# Altium PCB ZLS_MCU.PcbDoc (part 4 of 5)
Units mil, origin at the board's own origin, x right, y up, seen from the top; angles counter-clockwise.
Board outline 6300.01 x 7600 mil, 6 copper layers (Top Layer, GND, Signal, PWR, GND (Mid2), Bottom Layer), stack 74.545 mil thick; 324 components, 353 nets, 1041 pads, 925 vias.
Unrouted connection lines stored in the file: 480.
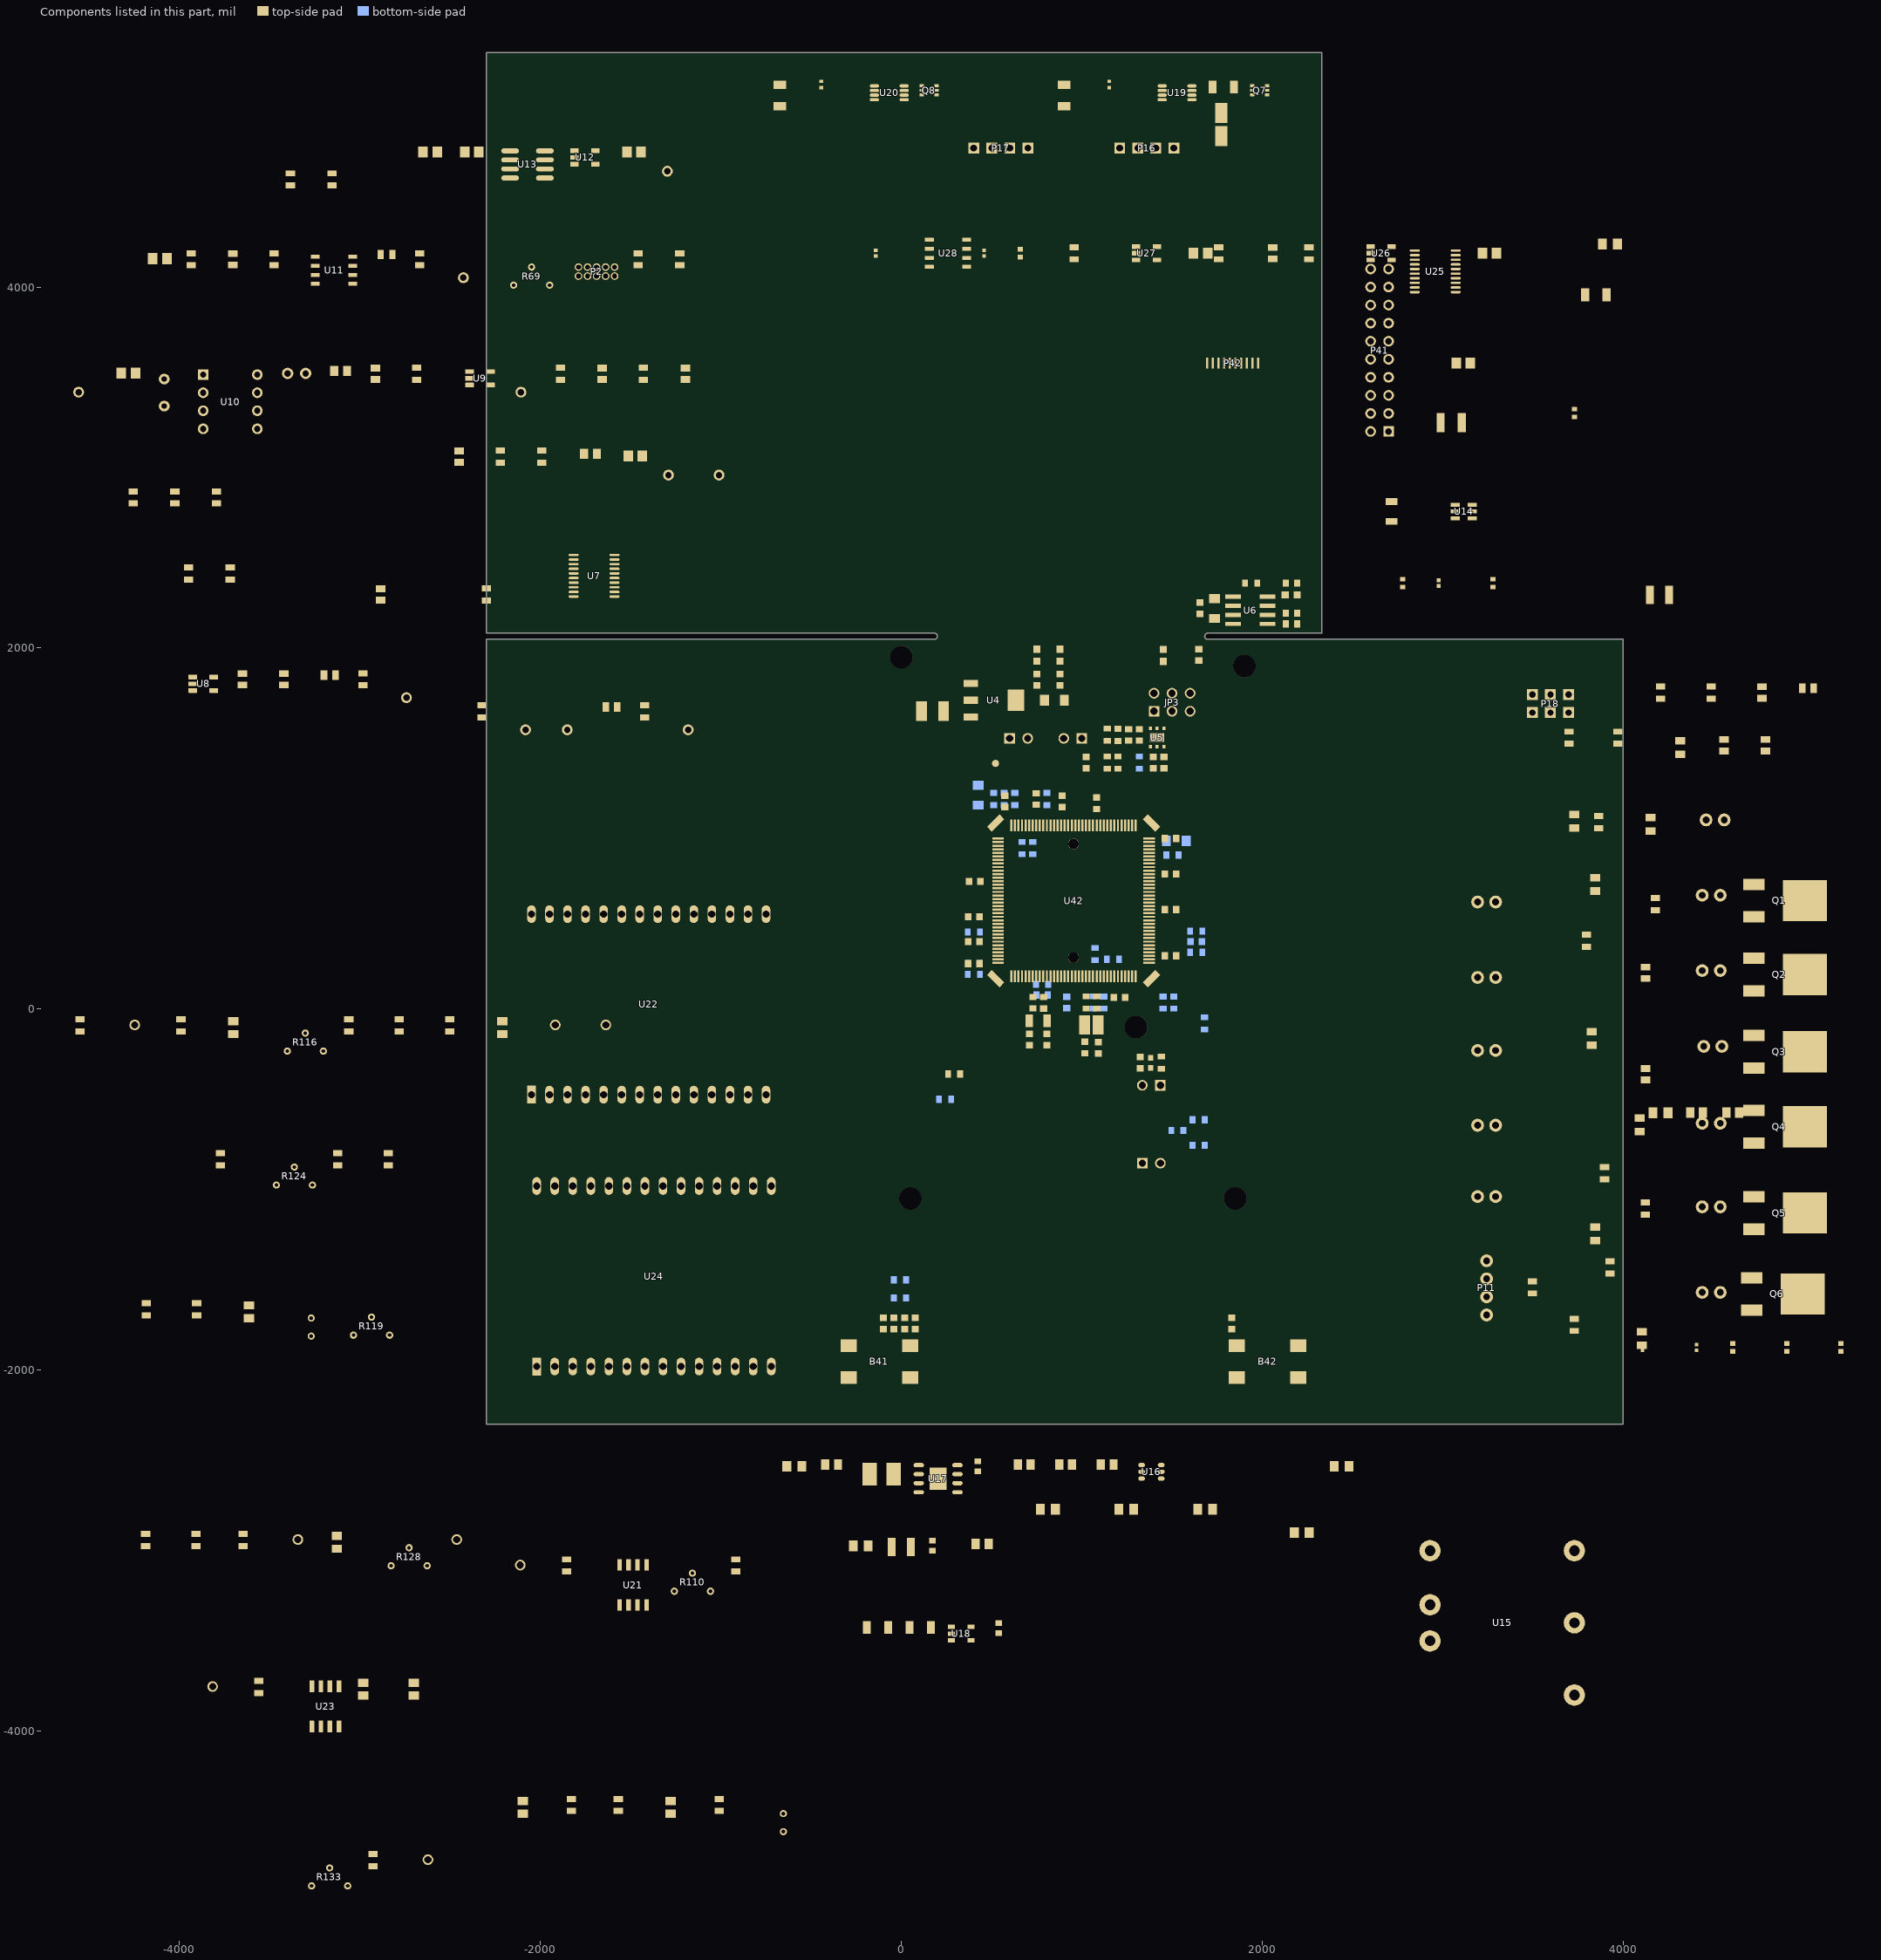
[diagram p8: the components of this part, seen from the top]

## Via types
v1: diameter 16, hole 8, Top Layer to Bottom Layer, tented both sides, 464 vias
v2: diameter 15, hole 8, Top Layer to Bottom Layer, tented both sides, 415 vias
v3: diameter 20, hole 12, Top Layer to Bottom Layer, tented both sides, 39 vias
v4: diameter 19.68, hole 7.87, Top Layer to Bottom Layer, 6 vias
v5: diameter 15, hole 8, Top Layer to Bottom Layer, 1 vias

## Nets (pads, with @x,y where several pads share a name; then routed paths per layer and width w, separated by ;. In a path a pad name is that pad's centre, name@x,y a point inside that pad or via, vN(x,y) a via of type N, cw(c..) or ccw(c..) an arc to the next point about the centre after c; other vN are vias at no path point) (continued)
copper on no net: | length 112676.4
  Top Layer w5: v1(-381,1094) -389.73,1085.27 -389.73,-1510.27 -300,-1600 ; -300,1300 -346.83,1253.17 -346.83,1076 -361.93,1060.91 -361.93,-606.1 -310.06,-657.97 57.97,-657.97 100,-700 ; -300,2299.94 -300,2300 -300,2414.45 ; -200,-900 -157.03,-857.03 23.31,-857.03 75.48,-804.86 95.14,-804.86 100,-800 ; -200,-300 -109,-209 -109,688 -54.97,742.03 57.97,742.03 100,700 ; -200,-200 -129,-129 -129,713.5 -84.53,757.97 57.97,757.97 100,800 ; -100,2199.94 19.94,2199.94 20,2200 ; -100,2299.94 -95.5,2295.44 16.56,2295.44 ; -100,2400 15,2400 16,2401 ; -100,2600 17,2600 ; v1(-15,2759) 18.5,2759 ; -12.24,2829.94 -73,2829.94 -100,2802.94 -100,2699.94 18.5,2699.94 ; 0,-200 -63,-137 -63,27 -32.03,57.97 202.97,57.97 269.13,124.13 269.13,422.08 v2(333,485.95) ; 81.24,2830 81.5,2829.75 81.5,2759 ; 81.5,2200 v1(120,2200) ; 81.5,2295 v1@119.94,2295 ; 81.5,2400 v1(117,2400) ; 81.5,2600 111.25,2600 142.25,2631 v1(142.25,2851) ; v2(162.7,14.7) 457.06,14.7 591.11,148.75 591.11,231.11 628.5,268.5 676.3,268.5 835.06,427.26 v1(968,427.26) ; 236,-1883.5 v2(236,-1831) ; 242,-1707.53 242,-1669 276.47,-1634.53 511.47,-1634.53 v2(512,-1634) ; v2(275,-233) 310,-233 325.75,-248.75 325.75,-299.97 ; v1(496,2799) 684,2987 1220,2987 1290,2917 1290,2647 1260.32,2617.32 1058.27,2617.32 ; 548.5,2432 641.4,2432 ; 548.5,2508 641.4,2508 ; 580.42,-1788.37 580.42,-1869.42 594,-1883 594.5,-1882.5 625,-1882.5 684,-1882.5 ; v2(598,827) 598,827.69 636.31,866 816.73,866 905.73,777 v2(930,777) ; v2(603,511) 603,513 633.5,543.5 633.5,788.5 696,851 810.52,851 912.52,749 925,749 926,750 v2(926,751) ; v1(617.6,2336.2) 654,2336.2 713,2336.2 713,2369.89 724.21,2381.1 782.68,2381.1 ; 642,2432.6 665.6,2432.6 692.84,2459.84 782.68,2459.84 782.52,2460 ; 642,2507.4 665.6,2507.4 693.47,2479.53 782.68,2479.53 ; 666,2684.5 666,2608.94 756.04,2518.9 782.68,2518.9 ; 725,2684.77 725,2684.5 725,2574 760.48,2538.53 782.68,2538.53 ; 736,-478.5 796.01,-478.5 ; 781,-1485.5 781,-1519 931,-1669 1088,-1669 1192.5,-1773.5 1256.09,-1773.5 1298.92,-1730.67 1339.08,-1690.51 1339.08,-1687.36 ; 782.68,2440.1 810.42,2440.1 861.42,2491.1 v1(861.42,2534) ; 796.01,-469.5 796.01,-478.5 ; 796.5,-607 796.5,-666 818.01,-666 840.04,-643.97 874.38,-643.97 875.2,-644.79 ; v2(800,-1839) 800.15,-1838.85 822.4,-1838.85 930.92,-1838.85 944.68,-1852.61 944.68,-1881.5 ; v1@812,2644.53 827.64,2644.53 842,2658.89 842,2684.5 901,2684.5 ; v2(822.4,-1914) 822.4,-1945.15 822,-1945.55 885.95,-1945.55 886,-1945.5 ; 840.33,-1485.5 840.33,-1520.33 963.37,-1643.37 1134.46,-1643.37 1178.45,-1687.36 1218.61,-1727.52 1218.61,-1730.67 ; v1(848.53,-664.47) 875.2,-664.47 ; 855,-469.5 855,-478.5 940.16,-563.65 940.16,-599.51 ; 881.1,2282.62 881.1,2282.68 881.1,2326.46 930.53,2375.89 ; 886,-1773.5 886,-1797 897,-1808 1061.56,-1808 1096.38,-1773.19 1131.2,-1773.19 ; 899,-1422.5 1061.5,-1422.5 1072,-1433 1072,-1475.56 ; 920.47,-599.51 920.47,-569.47 866.81,-515.81 810.81,-515.81 796.01,-501.01 796.01,-478.5 ; 920.47,2617.27 920.47,2644.61 960.32,2684.45 ; v1(930.53,2547.64) 930.53,2375.89 ; v2(940.16,2215) 940.16,2282.68 v2(940.16,2331) ; 944.68,-1773.5 944.99,-1773.19 1041.05,-1773.19 1040.74,-1773.5 953.01,-1773.5 ; 973,-478.5 979.53,-478.5 ; v2(973.62,2143) 973.62,2220.62 999.21,2246.21 999.21,2282.68 ; 979.53,-599.51 979.53,-478.5 ; v2@993,1437 1066,1437 1082,1421 1082,1400 ; v1@997.9,2381.1 1117.32,2381.1 1138.94,2381.1 1154.5,2365.54 1154.5,2163.3 1143.7,2152.5 1117,2152.5 ; 999.21,-749.12 999.21,-765.21 1035,-801 1076.5,-801 ; 999.21,-599.51 999.21,-569.21 1089.93,-478.5 1091,-478.5 1150,-478.5 ; 1000,2920 1089,2920 1118.46,2890.54 1118.46,2691 1111.96,2684.5 1078,2684.5 ; 1004,1855.5 1004,1926.54 ; 1006,1792.5 1038.5,1792.5 1135.5,1889.5 1613.5,1889.5 1704,1799 1704,1600 1663.15,1559.15 1596.9,1559.15 1596.9,1452.85 ; 1018.9,2617.27 1018.9,2617.32 1018.9,2684.34 ; 1019,2684.45 1078,2684.45 ; 1024.8,-703.84 v2(1052,-703.84) ; 1024.8,-684.16 1063.16,-684.16 1087,-708 1179,-708 1196,-725 1196,-863.53 v2(1220,-887.53) ; 1024.8,-664.47 1267.21,-664.47 1334.54,-731.8 1342,-731.8 ; 1024.8,-644.79 1271.21,-644.79 1333.8,-582.2 1342,-582.2 1425.31,-582.2 1425.5,-582 ; 1024.8,-625.1 1024.8,-616.2 1035,-606 1076.5,-606 1076.5,-547 ; 1032,-478.5 979.53,-478.5 ; 1038.58,2617.32 1038.58,2642.58 1047,2651 v1(1239.75,2651) ; v2@1047,2494 v2(1050,2494) 1074.9,2518.9 1117.32,2518.9 ; 1076.1,-936.4 1076.5,-936 ; 1117.32,2215.82 1117.32,2341.73 ; 1117.32,2361.42 945,2361.42 930.53,2375.89 ; 1117.32,2420.41 1208.09,2420.41 ; 1117.32,2440.16 1117.98,2439.5 1172.92,2439.5 1192.42,2459 1455.91,2459 1485.91,2489 1866.5,2489 1910,2532.5 1910,2569.5 1969,2569.5 ; 1117.32,2459.84 v1@1164.84,2459.84 ; 1259,1400 v1(1259,1432.25) ; 1271.5,2420 1271.5,2361 1271.5,2302.99 v2(1271.75,2302.73) ; 1322,-1475.56 1322,-1438 1337.5,-1422.5 1501,-1422.5 ; 1324.8,-731.8 1333,-731.8 1333.2,-732 1431.55,-732 ; 1352,2729.5 1352,2771.94 1375.06,2795 1447,2795 1474.41,2822.41 1474.41,2885 ; 1411,2729.5 v2@1411,2763 ; 1522.09,1452.85 1522.09,1397.59 1522,1397.5 1610,1397.5 ; v2(1569,1334.5) 1610,1334.5 ; 1653.75,-450 1655.75,-452 1756.28,-452 1800,-408.28 1800,-400 ; 1653.75,-300 1800,-300 ; 1653.75,-200 1800,-200 ; v2(1697.7,2533) 1697.7,2569.5 ; 1697.7,2691.35 1697.7,2632.5 1815.7,2632.5 ; v2(1739.93,2691.63) 1774.58,2691.63 ; 1800,0 1850,50 2126,50 2150,74 2150,749 2200,799 ; 1800,860 1854,914 v2(1989,914) ; 1800,1160 1843,1117 1954.35,1117 1985,1086.35 1985,994.34 2051.75,927.6 2051.75,447.26 2100,399 ; 1800,1260 1849.84,1210.16 1943.84,1210.16 2040,1114 2040,959 2100,899 ; 1800,1760 1850,1710 1972,1710 2030,1652 2153,1652 2200,1699 ; 1900,-500 1999,-500 2100,-601 ; 1900,-400 1999,-400 2100,-501 ; 1900,-200 1998,-200 2048,-250 2149,-250 2200,-301 ; 1900,-100 1943.03,-143.03 2157.97,-143.03 2200,-101 ; 1900,960 1980.03,960 2020,920.03 2020,886 1989,855 v2(1989,746) ; 1900,1360 2039,1360 2100,1299 ; 1900,1760 1983,1760 2044,1699 2100,1699 ; 1910,2632.5 1910.47,2632.97 1910.47,2781.94 ; 1910.47,2900.06 1910.47,2849.53 1921,2839 2016,2839 2029,2826 2029,2632.5 ; 1969,2632.5 1969.53,2633.02 1969.53,2781.94
  Top Layer w5.1: 821.5,-861 883.07,-861 922.22,-861 ; 822.09,-936.4 883.07,-936.4 v1(883.07,-976.93) ; 920.47,-749.12 920.47,-766.15 922.82,-768.49 922.82,-965.03 958.79,-1001 1297.37,-1001 1314,-1017.63 1314,-1048.15 1272,-1090.15 1272,-1120.44 ; 938.82,-862 977.56,-862 977.96,-862 1076.5,-862 ; 940.16,-749.12 940.16,-766.15 937.82,-768.49 937.82,-957.81 965,-985 1303.59,-985 1330,-1011.41 1330,-1048.15 1372,-1090.15 1372,-1120.44 ; 959.84,-749.12 959.84,-766.15 961.69,-767.99 961.69,-795.92 975.01,-809.24 v2(975.01,-815.29) ; 977.56,-936.4 v1(1022,-936.4) 1076.1,-936.4 ; 979.53,-749.12 979.53,-766.15 977.19,-768.49 977.19,-789.5 983.03,-795.34 991.34,-795.34 v2(992,-796) ; 1022,-1475.56 1022,-1506.15 1064.5,-1548.65 1064.5,-1588.21 1094.29,-1618 1100.5,-1618 1132.79,-1618 1357,-1618 1366,-1627 1366,-1639 1350.94,-1654.06 1292.06,-1654.06 1258.76,-1687.36 ; 1022,-1120.44 1022,-1090.15 1064.5,-1047.65 1064.5,-1043.5 v1(1059,-1038) ; v1(1085,-1038) 1079.5,-1043.5 1079.5,-1047.65 1122,-1090.15 1122,-1120.44 ; 1122,-1475.56 1122,-1506.15 1079.5,-1548.65 1079.5,-1582 1100.5,-1603 1307.41,-1603 1322.31,-1603 1363.21,-1603 1381,-1620.79 1381,-1728.91 1379.24,-1730.67 ; 1272,-1475.56 1272,-1506.15 1314.5,-1548.65 1314.5,-1561.08 1328.92,-1575.5 1427.71,-1575.5 1468,-1615.79 1468,-1669.88 1450.52,-1687.36 1419.39,-1687.36 ; 1372,-1475.56 1372,-1506.15 1329.5,-1548.65 1329.5,-1554.86 1335.14,-1560.5 1433.93,-1560.5 1484,-1610.57 1484,-1675.09 1459.55,-1699.54 1459.55,-1730.67
  Top Layer w6: 977.56,-861.6 977.96,-862
  Top Layer w6.1: 1117.32,2479.53 1140.73,2479.53 1143.07,2481.87 1443.08,2481.87 1520.5,2559.29 1520.5,2611.95 1550.4,2641.85 1550.4,2666.76 1550.4,2761.24 1550.4,2786.85 1520.5,2816.75 1520.5,2849.76 1525.59,2854.85 1525.59,2885 ; 1117.32,2499.21 1140.73,2499.21 1143.07,2496.87 1436.87,2496.87 1505.5,2565.5 1505.5,2611.95 1475.6,2641.85 1475.6,2666.76 ; 1411,2666.5 1475.35,2666.5 1475.6,2666.76 ; 1500,2885 1500,2854.85 1505.5,2849.35 1505.5,2816.75 1475.6,2786.85 1475.6,2761.24 1475.6,2666.76
  Top Layer w7: 821.5,-801 821.5,-766.5 838.88,-749.12 900.79,-749.12 ; 1024.8,-723.53 1024.8,-737.8 1029,-742 v1(1047,-742) 1076.5,-742
  Top Layer w8: 782.68,2400.79 806.41,2400.79 819,2388.2 v1(819,2285) ; 782.68,2420.47 v1(822.18,2420.41) v1(822.18,2420.41) ; v1(784,2617.27) 784.06,2617.32 841.73,2617.32 ; v1(861.42,2577.76) 861.42,2617.32 ; 979.53,2282.68 v2@979.53,2331.53 ; 1038.58,2282.68 v2@1038.58,2330.58 ; v1(1078,2540) 1079.42,2538.58 1117.32,2538.58
  Top Layer w10: -300,2481.5 v2(-300,2518) ; v1@73,2642 81.5,2650.5 81.5,2700 ; 242,-1783.46 243.03,-1784.5 311,-1784.5 ; 304.4,-2024.2 317.2,-2037 340.82,-2037 ; 311,-1721.5 311,-1677 321.4,-1666.6 370.6,-1666.6 v1(372,-1668) ; v2@314,-1909 356.76,-1909 ; 392,-2142.31 v1(472.32,-2142.31) ; 419,-1721.5 478,-1721.5 519.5,-1721.5 v2(520,-1721) ; v2@445,-937 v2(446,-936) 644.5,-936 639.5,-941 ; v2(449,2432) 485.5,2432 ; v2(449,2508) 485.5,2508 ; 451.24,-1909 v2@494,-1909 ; v2(478,-1822) 478,-1784.5 ; v2(486,-775) 496,-785 544,-785 544,-846 559,-861 v2(575,-861) 639.5,-861 ; v2(588,-1945.55) 588.05,-1945.5 625,-1945.5 ; 619.01,-1709.63 622.1,-1706.54 719.01,-1706.54 ; 654,-791 691,-791 702.5,-802.5 702.5,-861 758.5,-861 758.5,-898 ; v2(657,-1820) 657.59,-1819.41 657.59,-1788.37 ; 666,2747.5 v2(666,2784) ; v2(696,-415.5) 736,-415.5 ; v1@697.01,-548 733.5,-548 733.5,-607 ; 699.5,-936 757.5,-936 ; v2(713,2236.7) 713,2273.2 ; 719.01,-1773.47 782.97,-1773.47 ; 725,2747.5 v2(725,2784) ; v2(747.6,-1879.54) 747.6,-1838.85 ; 758,-2024 v2(806.36,-2024) ; 758.5,-937 758.5,-898 ; 758.5,-801 v2(758.5,-764.5) ; 774.94,-1306 774.94,-1252.06 v2(775,-1252) ; 781,-1422.5 840.33,-1422.5 v2(840.33,-1386) 868.07,-1386 893.06,-1361.02 893.06,-1306 ; v2(782.5,-1676) 783.01,-1676.51 783.01,-1710.5 ; 784,2559.53 v1(784,2617.27) 784,2684.45 ; 784,2747.5 v2(784,2784) ; v2(785,-1980) 785,-1945.15 ; 821.5,-801 v2(858,-801) ; v2(823,-356) 846,-356 855,-365 855,-415.5 914,-415.5 ; v2(840,-1215.25) 840,-1178.75 ; 840,-1111.25 v2(840,-1031.25) ; v2(842,-1882) 842.5,-1882.5 886,-1882.5 ; 842,2747.5 v2(842,2784) ; v2(853.5,2215.5) 890,2215.5 ; 883.07,-899 759.5,-899 758.5,-898 ; v2(886,-1672) 886,-1710.5 944.68,-1710.5 ; v2(890,2119) 890,2152.5 ; v2(899,-1522) 899,-1485.5 ; v2(899,-1213) 899,-1176.5 ; 899,-1113.5 v2(899,-1033.5) ; 901,2747.5 v2(901,2784) ; 912,-1176.5 1060.98,-1176.5 1072,-1165.47 1072,-1120.44 ; 914,-469.5 914,-478.5 914,-505.5 927.5,-519 v1(941,-519) 959.84,-537.84 959.84,-599.51 ; 944.68,-1944.5 944.68,-1980.68 v1(945,-1981) ; 960,2747.5 v2(960,2784) ; 977.56,-899 1018.06,-899 1018,-899.06 v1(1018,-900) ; 1006,1993.47 v2@1052.97,1993.47 ; 1019,2747.5 v2(1019,2784) ; v2(1021.5,2215.5) 1058,2215.5 ; 1032,-415.5 v2(1032,-370) ; v2(1058,2119) 1058,2152.5 ; 1058.27,2215.71 1058.27,2282.62 ; 1078,2747.5 v2(1078,2784) ; 1091,-415.5 v2(1091,-370) ; 1117.32,2558.27 1208.24,2558.27 1208.5,2558 v1@1170.27,2558 ; 1139.5,-936 v2(1176,-936) ; 1139.5,-862 v2(1176,-862) ; 1139.5,-801 v2(1176,-801) ; 1139.5,-742 v2(1176,-742) ; 1139.5,-606 v2(1176,-606) ; 1139.5,-547 v2(1176,-547) ; 1147,2785.24 v1@1185.61,2785.24 ; v2(1208,2301) 1208.5,2301.5 1208.5,2361 ; v1(1271.5,2518.5) 1271.5,2558 ; 1322,-1120.44 1322,-1164 1334.5,-1176.5 1497,-1176.5 v2(1497,-1214) ; v1(1342.7,-523.21) 1474.51,-523.21 1497,-545.7 1497,-581.5 1497.5,-582 ; v2(1352,2630) 1352,2666.5 ; v2(1370,2168) 1406.5,2168 ; v2(1457.5,-1113.5) 1497,-1113.5 1553.75,-1113.5 ; v1@1459.55,-788 1475.1,-788 1497.5,-765.6 1497.5,-732 1497.5,-582 ; v1@1462,2371 1531.85,2371 ; 1497,-582.5 1497.5,-582 ; v1(1501,-1520.5) 1501,-1485.5 ; 1513,2666.76 v2(1513,2711) ; 1513,2761.24 v2(1513,2795) ; v2(1531,2153) 1537,2153 1537,2189.5 ; 1551.18,2885 1551.18,2917.18 1568,2934 v3@1696,2934 ; v2(1556,-1216.25) 1556,-1178.75 ; 1559.5,1452.85 v1(1559.5,1593) ; v2(1596,2153) 1596,2189.5 ; 1596.95,-1773.19 1597.26,-1773.5 1689,-1773.5 ; v2(1639,2533) 1639,2569.5 ; 1639,2632.5 v2(1639,2667) ; v1(1681,2298.5) 1681,2338 ; 1688,-1710.5 v1(1688,-1677) ; 1696,2345.5 1755,2345.5 v1(1794.5,2345.5) ; 1736,2770.37 v2(1736,2806.87) ; v2(1756.7,2533) 1756.7,2569.5 ; v2(1815.7,2533) 1815.7,2569.5 ; 1969.53,2900.06 v1(2018.94,2900.06) ; v2(2029,2533) 2029,2569.5
  Top Layer w20: 1468.24,2330 1565,2330 1568.6,2333.6 1578,2343 1578,2398 1568,2408 1469.24,2408 ; 1469.24,2329 1469.24,2251 ; 1469.5,2168 1469.24,2168.25 1469.24,2251 ; 1535.5,2251 1469.24,2251 ; 1596,2252.5 1596,2291.45 1638.15,2333.6
  Signal w5: -300,300 -354.83,245.17 -354.83,-321.17 -322,-354 727.12,-354 v2(727.62,-354.5) ; -300,400 -254,446 -187,446 -114,519 -114,699 -70.97,742.03 117.41,742.03 ; -300,500 -250,550 -179,550 -149,580 -149,784 -91,842 -17.44,842 ; -300,600 -248,652 -248,832.03 -223,857.03 -176.38,857.03 ; -176.35,857 -23.65,857 ; -23.62,857.03 23.62,857.03 ; -17.41,842.03 17.41,842.03 ; 0,0 42.03,42.03 281.78,42.03 v1(335.56,95.81) 366.81,95.81 404,133 879,133 1061,315 v2(1108,315) 1154,315 1219,250 1219,200.63 1142.1,123.73 v2(1142.1,-209.8) ; 0,100 42.97,142.97 310.97,142.97 v1(321,153) 361,193 786,193 804,211 804,290 852.75,338.75 v1(929.75,338.75) 1199.99,338.75 v1(1221.25,317.49) 1266.25,272.49 1266.25,150.61 1193,77.36 v2(1193,-250) ; 0,200 54.5,254.5 668.5,254.5 790,376 v2(834,376) 1281,376 1405,252 1405,-248 v1(1355,-298) ; 17.44,842 82.56,842 ; 23.65,857 76.35,857 ; 76.38,857.03 123.62,857.03 ; 82.59,842.03 117.41,842.03 ; 117.44,742 169,742 221.2,794.2 673.8,794.2 v2(804,664) ; 117.44,842 537.43,842 559.43,864 669,864 v1(789,744) ; 123.65,857 531.21,857 553.21,879 688,879 v1(786.68,780.32) ; v2(151,-1827) 191.54,-1786.46 747.46,-1786.46 v2(800,-1839) ; v2(896.7,1351) 921.7,1376 1151,1376 1261,1486 1630,1486 1720,1576 1720,1673 1762,1715 1947,1715 2031,1799 2100,1799 2092,1807 ; v2(930,777) 948,759 948,702.27 967.37,682.9 985.42,682.9 ; v2(963,1354.25) 1149.25,1354.25 1267.1,1472.1 1365.76,1472.1 1635.76,1472.1 1712.9,1549.24 1733.9,1570.24 1733.9,1570.9 1734,1571 1734,1667.34 1767.66,1701 2000,1701 2047,1748 2149,1748 2200,1799 ; 985.52,683 985.42,682.9 ; v1(1259,1432.25) 1283.75,1457 1645,1457 1698,1510 1973,1510 2035,1448 2151,1448 2200,1399 ; v2(1530,336) 1530,599 1463,666 1063,666 1046.1,682.9 985.42,682.9 ; 1800,1660 1853,1607 1963,1607 2016,1554 2250,1554 2285,1519 2285,684 2200,599 ; 1900,500 1969,431 1969,-360.66 2013,-404.66 2013,-792 2067.97,-846.97 2145.97,-846.97 2200,-901 ; 1900,1260 1961,1199 2100,1199 ; v2(1989,746) 1989,536 2003,522 2003,-344 2044,-385 2044,-420 2070.41,-446.41 2142.97,-446.41 2197.56,-501 2200,-501 ; v2(1989,914) 2050.7,852.3 2050.7,552.93 2100,503.63 2100,499 ; 2096.97,1002.03 2100,999
  Signal w10: v1(372,-1668) 431,-1609 715.5,-1609 v2(782.5,-1676) 842,-1735.5 v2(842,-1882) ; v2@579,-2059 580,-2058 685.81,-2058 747.6,-1996.21 v2(747.6,-1879.54) ; 1002.46,-1982.64 1002.46,-1717.54 1079.9,-1640.1 1569.1,-1640.1 1635.54,-1706.54 1635.54,-1982.64 ; v2(1639,2667) 1663,2691 v3(1663,2931)
  Bottom Layer w5: v1(-381,1094) -332.97,1142.03 133.03,1142.03 209,1218 209,1369 294.5,1454.5 973.5,1454.5 v2(992,1436) ; -301,2301 -245,2301 -208,2264 -208,2192 -159,2143 v2(973.62,2143) ; -300,-400 -382.95,-317.05 -382.95,413 -344.95,451 51,451 100,500 ; -200,1200 0,1200 53.17,1253.17 53.17,1449.17 91.6,1487.6 91.6,1489.04 102.96,1500.4 104.4,1500.4 178,1574 178,1770.5 248.5,1841 1060,1841 1122,1903 1122,2227.85 1097.85,2252 1007.75,2252 ; v1(-15,2759) -15,2684 34,2635 34,2411 71,2374 375,2374 412.8,2336.2 v1(617.6,2336.2) ; 0,-500 54,-554 263,-554 276.75,-567.75 276.75,-600 330,-600 394,-536 394,-22 369,3 307.45,3 223.2,87.25 223.2,1029.2 289.6,1095.6 289.6,1264.6 338,1313 563.66,1313 608.66,1268 641.73,1268 688,1221.73 688,1197.75 688,1185 ; 0,-400 26.79,-373.21 63,-373.21 78.24,-357.97 126,-357.97 168.03,-400 208.25,-400 208.25,-367.75 223.18,-352.82 304.68,-352.82 325,-332.5 325,-35.76 209.3,79.94 209.3,1042.3 275.7,1108.7 275.7,1274.17 328.43,1326.9 569.42,1326.9 613.32,1283 688,1283 747,1224 747,1197.75 747,1185 ; 0,-300 42.03,-257.97 117.41,-257.97 ; v1@116,2294.94 v1(120,2294.94) ; 117.44,-258 259.84,-258 275.75,-273.91 275.75,-300 276.75,-301 299.69,-301 309,-291.69 309,-40.97 195.4,72.63 195.4,1061.4 259,1125 259,1281 340,1362 368.25,1362 ; v1(120,2200) 177.03,2257.03 754.3,2257.03 774.67,2277.4 775.4,2277.4 806,2308 1090,2308 1164,2382 v1(1164,2460) 1164,2460.68 1164.84,2459.84 1165,2460 1204.25,2460 ; v1@121.94,2294.94 v1(120,2294.94) ; 142.25,2700 112,2700 96,2684 96,2421 v1(117,2400) 429,2400 447.9,2381.1 v1@997.9,2381.1 ; 142.25,2900 v1(142.25,2851) 899,2851 930.53,2819.47 v1(930.53,2547.64) ; v2(151,-1827) 151,-1786.69 ; v2(162.7,14.7) 135.37,42.03 -37.97,42.03 -57,23 -57,-43 0,-100 42.97,-142.97 246.97,-142.97 275,-171 v2(275,-233) ; 209.75,2599.94 300,2599.94 390.25,2599.94 ; 209.75,2699.94 300,2699.94 390.25,2699.94 ; 209.75,2799.94 390.25,2799.94 ; 209.75,2899.94 300,2899.94 390.25,2899.94 ; v2(236,-1831) 236,-1786.69 ; v1(321,153) 311.6,162.4 311.6,289.6 331.5,309.5 368.25,309.5 ; v2(333,485.95) v2(333,485.95) 368.25,486 ; v1(335.56,95.81) 297.7,133.67 297.7,325.95 320.25,348.5 348.25,348.5 368.25,368.5 ; 435,840.75 539,840.75 584.25,840.75 v2(598,827) ; 457.75,2600 702,2600 808,2494 v2(1050,2494) ; 457.75,2800 495,2800 v1(496,2799) ; 480,562.5 539,562.5 539,526 552.77,512.23 601.77,512.23 v2(603,511) ; v2(512,-1634) 617,-1634 638,-1655 638,-1719.25 717.25,-1719.25 737,-1739 737,-1828.6 v2(822.4,-1914) ; 716,338.75 716,363.13 763.5,410.63 763.5,757.15 v1(786.68,780.32) ; v2(727.62,-354.5) 727.62,-312.38 749,-291 813,-291 841,-263 841,-68 878,-31 966,-31 999.25,2.25 1003,2.25 ; 775,339 778.5,342.5 778.5,733.5 v1(789,744) ; 798.75,-642 826.06,-642 v1(848.53,-664.47) ; v2(804,664) 820,648 820,488.5 969.75,338.75 1013.7,338.75 ; 834,338.75 834,374.94 835.06,376 v2(834,376) ; 834.75,1351 843.69,1359.94 887.76,1359.94 v2(896.7,1351) ; 835,1410 907.25,1410 v2(963,1354.25) ; 843,2682.25 843,2659 827,2643 v1(812,2643) 812,2583.42 v1(861.42,2534) ; v1(879,131) 904.25,131 911.25,138 ; 893,338.75 v1(929.75,338.75) ; v2(926,751) 926,626.47 1042.47,510 1422.1,510 1457.5,474.6 1513.15,474.6 1523.75,464 1523.75,432 1547,432 1558.97,420.03 1558.97,286.69 1603.66,242 1716.49,242 1739.03,264.54 1739.03,311 1771,342.97 1939.03,342.97 1971,311 1971,71 1900,0 ; v2(940.16,2215) 940.25,2215.09 940.25,2252 ; v2(940.16,2331) 803,2331 766.94,2294.94 385.4,2294.94 336.95,2343.39 168.45,2343.39 v1(120,2294.94) ; 958,-936 958.4,-936.4 ; v1(968,427.26) 1039,427.26 1084.74,473 1138.25,473 ; 1041.05,-1773.19 870,-1602.14 870,-1157.58 807,-1094.58 807,-719 831,-695 880,-695 908,-667 1015.16,-667 v2(1052,-703.84) ; v2(1108,315) 1108,409 1114,415 1137.25,415 1138.25,414 ; 1138.25,354 1138.25,328.5 1149.26,317.49 v1(1221.25,317.49) ; v2(1142.1,-209.8) 1487.95,-209.8 1534,-163.75 1621.75,-163.75 ; 1180.53,2.06 1188.49,-5.9 1188.49,-84.53 1116,-157.02 1116,-268.53 1145.47,-298 v1(1355,-298) 1482,-298 1583.5,-399.5 1622,-399.5 ; v1@1184.43,2787.94 v1(1186.37,2786) ; v2(1193,-250) 1503.2,-250 1534.7,-281.5 1622,-281.5 ; v2(1220,-887.53) 1264.47,-932 1428.3,-932 1535,-1038.7 1535,-1744.98 1506.8,-1773.19 ; v1(1239.75,2651) 1579.7,2651 v2(1697.7,2533) ; 1271.75,2236 v2(1271.75,2302.73) ; v2(1411,2766) 1665.56,2766 v2(1739.93,2691.63) ; 1522,1177.5 1612.75,1177.5 ; 1522,1332.5 1611,1332.5 1612.75,1334.25 ; 1523.75,373 1530,366.75 v2(1530,336) 1530,286.97 1589.18,227.79 1729.82,227.79 1760,257.97 1924.03,257.97 1956,226 1956,156 1900,100 ; 1613.15,1177.9 1612.75,1177.5 ; 1621.75,-231.25 1701,-231.25 1746.25,-231.25 1762,-247 2054,-247 2100,-201 ; 1622,168.75 1681,168.75 1681,189 1691.99,199.99 1799.99,199.99 ; 1642,-467 1750,-467 1766,-451 2050,-451 2100,-401 ; 1642,-349 1701,-349 2052,-349 2100,-301 ; 1680.75,-670 1719,-670 1749,-700 1800,-700 ; 1701,-399.25 1799.25,-399.25 1800,-400 ; 1701,-281.5 1781.5,-281.5 1800,-300 ; 1701,-163.75 1763.75,-163.75 1800,-200 ; 1800,300 1807.72,300 ; 1900,1160 1856.51,1116.51 1700.72,1116.51 1639.72,1177.5 1612.75,1177.5 ; 2098.97,1800.03 2100,1799 ; 2100,499 2100,501